# Altium PCB Thunderscope_Rev4.PCBDOC (part 2 of 7) (continued)
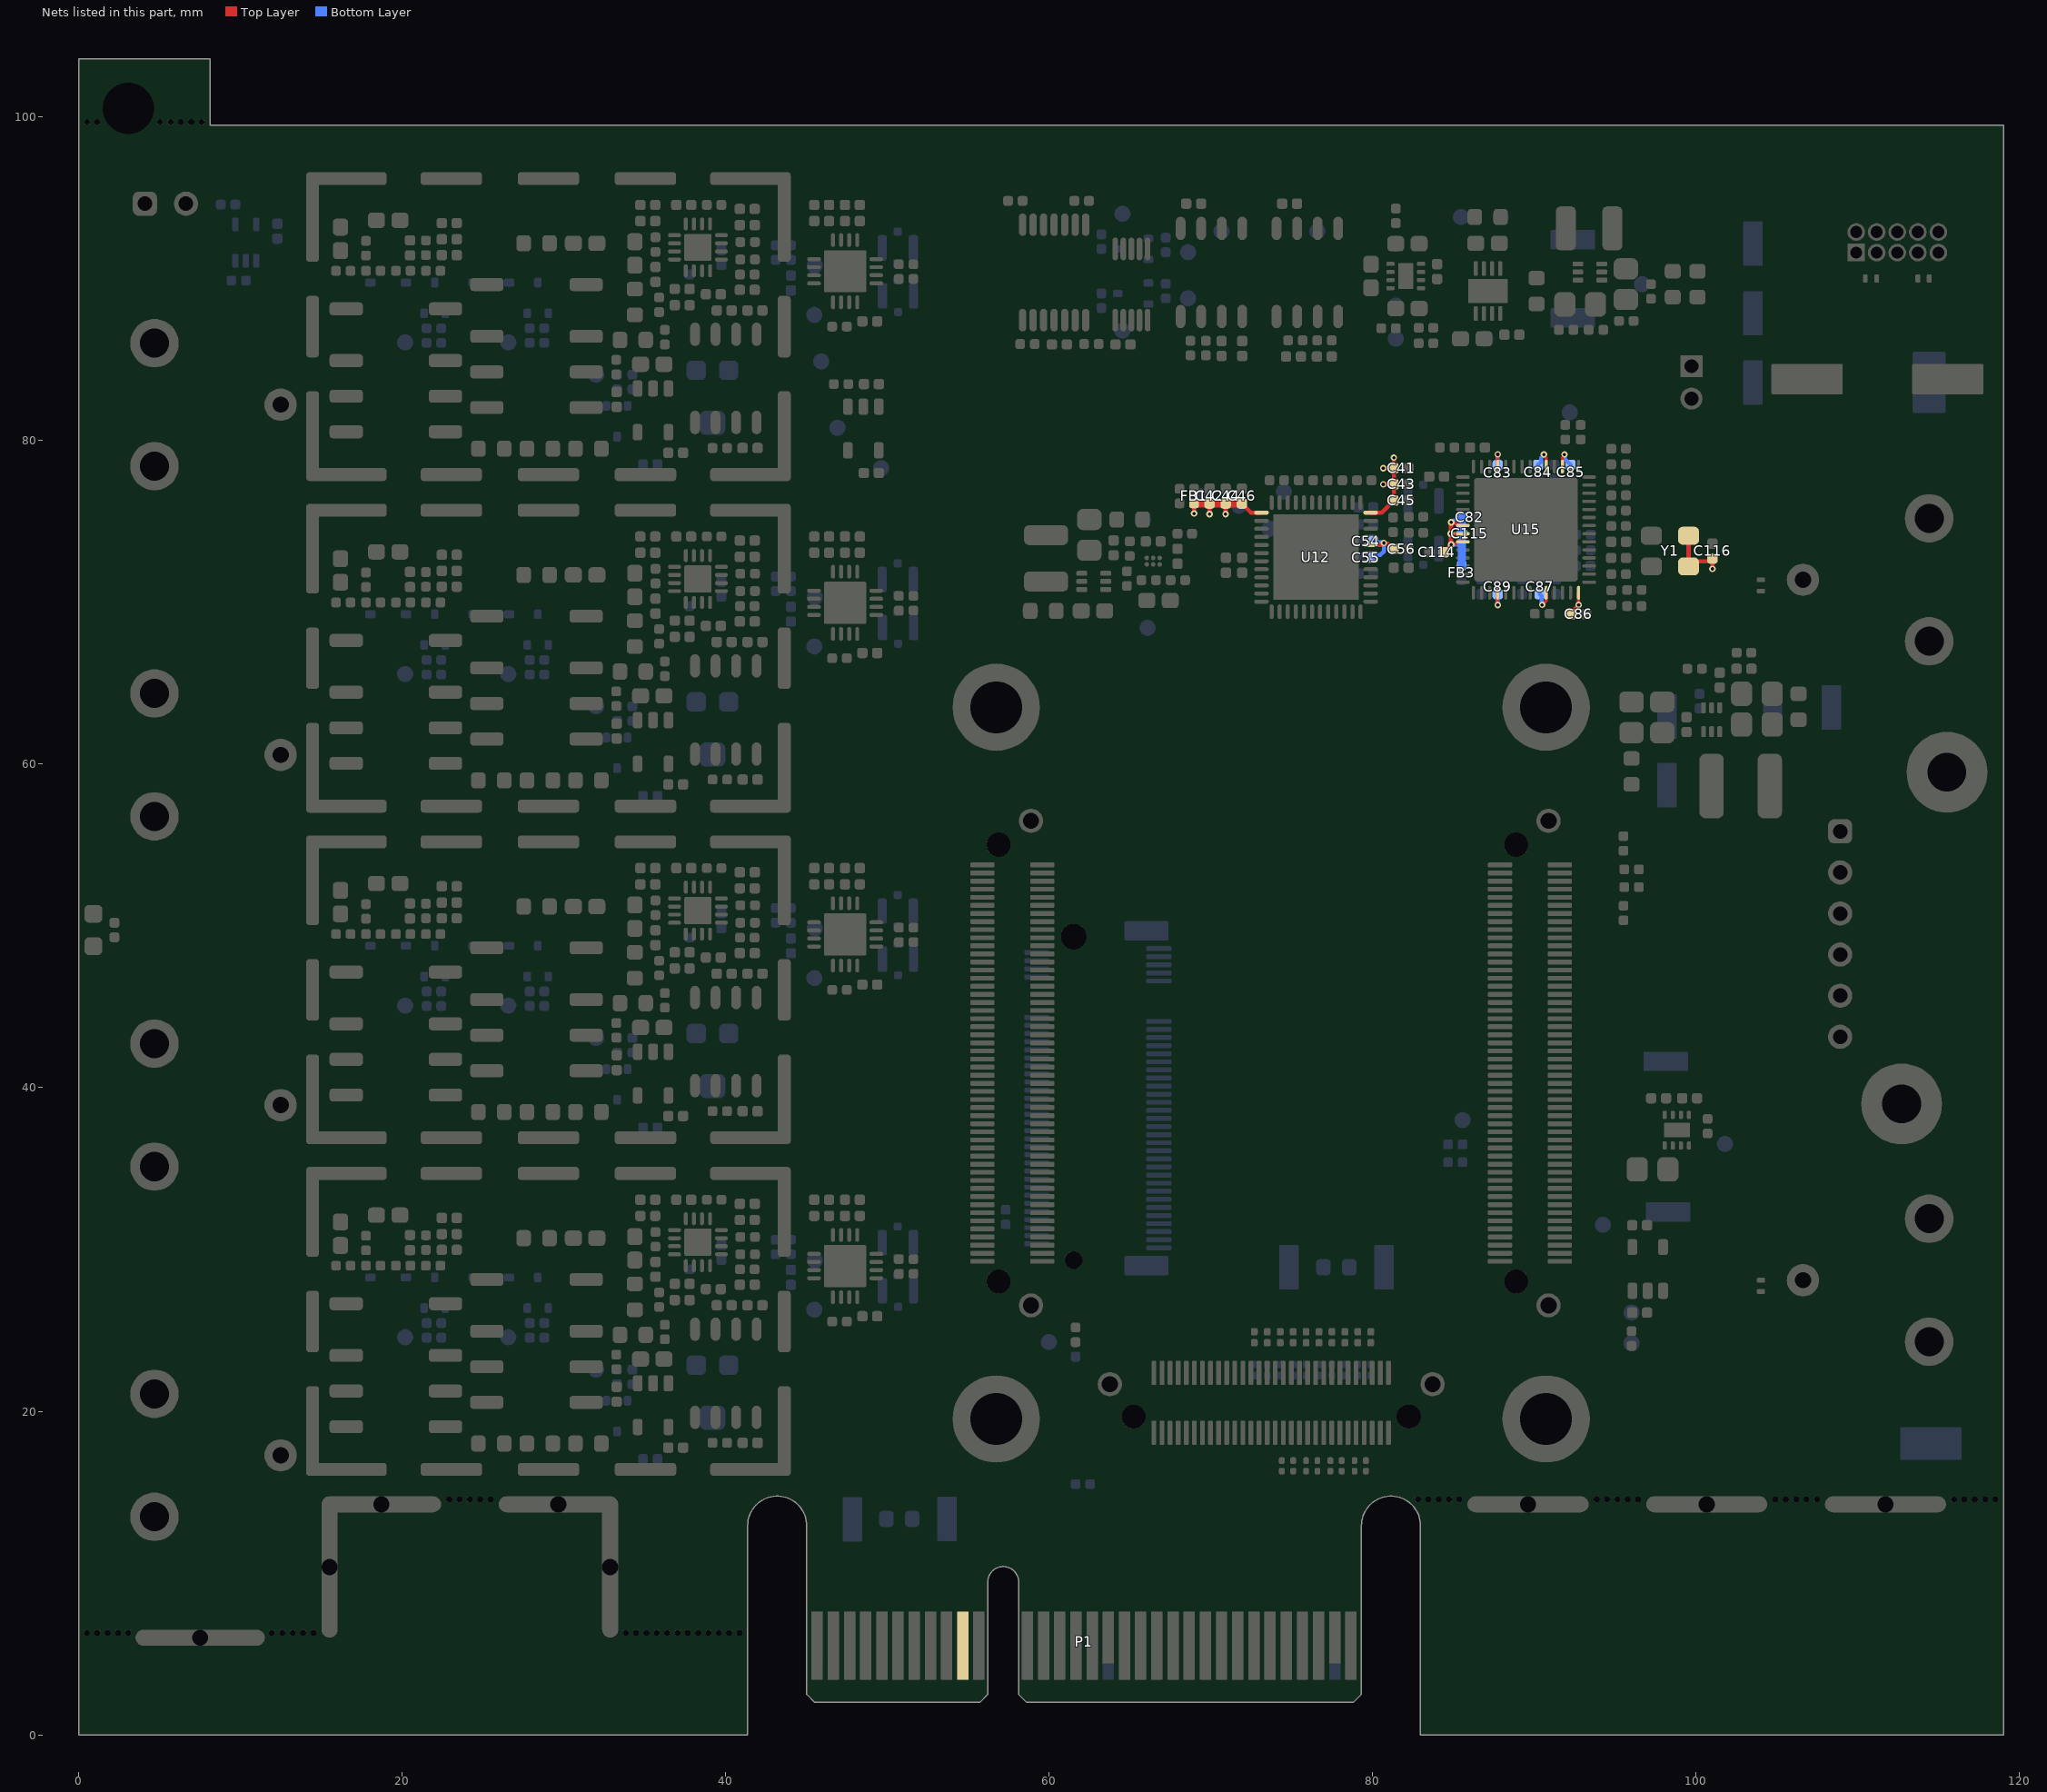
[diagram p6: the nets of this part, all layers, seen from the top]
## Footprints (in the part's own frame and the unit in brackets; to place one, negate y for a bottom-side part, rotate by r counter-clockwise, add the part's x,y. Pads: shape width x height; smd on the part's side, far side on the other; paste and mask are expansions set on the pad) (continued)
  round 1.5 hole 1: 61(9.975,1.15) 62(-9.975,1.15)
  round 1.5 hole 1.5 unplated: ""(-8.5,-0.85) ""(8.5,-0.85)
  silkscreen extent -11.13,-3 11.13,3, body extent -10.4,-2.49 10.4,2.64, height 5.6
SAM_LSHM-150-XX.X-XX-DV-A-S [mm]
  rrect50% 0.3x1.5 smd: 1(12.25,-1.85) 2(12.25,1.85) 3(11.75,-1.85) 4(11.75,1.85) 5(11.25,-1.85) 6(11.25,1.85) 7(10.75,-1.85) 8(10.75,1.85) 9(10.25,-1.85) 10(10.25,1.85) 11(9.75,-1.85) 12(9.75,1.85) 13(9.25,-1.85) 14(9.25,1.85) 15(8.75,-1.85) 16(8.75,1.85) 17(8.25,-1.85) 18(8.25,1.85) 19(7.75,-1.85) 20(7.75,1.85) 21(7.25,-1.85) 22(7.25,1.85) 23(6.75,-1.85) 24(6.75,1.85) 25(6.25,-1.85) 26(6.25,1.85) 27(5.75,-1.85) 28(5.75,1.85) 29(5.25,-1.85) 30(5.25,1.85) 31(4.75,-1.85) 32(4.75,1.85) 33(4.25,-1.85) 34(4.25,1.85) 35(3.75,-1.85) 36(3.75,1.85) 37(3.25,-1.85) 38(3.25,1.85) 39(2.75,-1.85) 40(2.75,1.85) 41(2.25,-1.85) 42(2.25,1.85) 43(1.75,-1.85) 44(1.75,1.85) 45(1.25,-1.85) 46(1.25,1.85) 47(0.75,-1.85) 48(0.75,1.85) 49(0.25,-1.85) 50(0.25,1.85) 51(-0.25,-1.85) 52(-0.25,1.85) 53(-0.75,-1.85) 54(-0.75,1.85) 55(-1.25,-1.85) 56(-1.25,1.85) 57(-1.75,-1.85) 58(-1.75,1.85) 59(-2.25,-1.85) 60(-2.25,1.85) 61(-2.75,-1.85) 62(-2.75,1.85) 63(-3.25,-1.85) 64(-3.25,1.85) 65(-3.75,-1.85) 66(-3.75,1.85) 67(-4.25,-1.85) 68(-4.25,1.85) 69(-4.75,-1.85) 70(-4.75,1.85) 71(-5.25,-1.85) 72(-5.25,1.85) 73(-5.75,-1.85) 74(-5.75,1.85) 75(-6.25,-1.85) 76(-6.25,1.85) 77(-6.75,-1.85) 78(-6.75,1.85) 79(-7.25,-1.85) 80(-7.25,1.85) 81(-7.75,-1.85) 82(-7.75,1.85) 83(-8.25,-1.85) 84(-8.25,1.85) 85(-8.75,-1.85) 86(-8.75,1.85) 87(-9.25,-1.85) 88(-9.25,1.85) 89(-9.75,-1.85) 90(-9.75,1.85) 91(-10.25,-1.85) 92(-10.25,1.85) 93(-10.75,-1.85) 94(-10.75,1.85) 95(-11.25,-1.85) 96(-11.25,1.85) 97(-11.75,-1.85) 98(-11.75,1.85) 99(-12.25,-1.85) 100(-12.25,1.85)
  round 1.5 hole 1: 101(14.975,1.15) 102(-14.975,1.15)
  round 1.5 hole 1.5 unplated: ""(-13.5,-0.85) ""(13.5,-0.85)
  silkscreen extent -16.12,-3 16.12,3, body extent -15.4,-2.49 15.4,2.64, height 5.6
ST_FlipChip6 [mil] "BGA, 6-Leads, Body 0.78x1.18mmx0.36mm, Pitch 0.40mm"
  round 11 smd paste+0 mask+0: A1(-7.88,15.75) A2(7.87,15.75) B1(-7.88,0) B2(7.88,0) C1(-7.87,-15.75) C2(7.88,-15.75)
  silkscreen extent -33,-31 24,41, body extent -16,-24 16,24, height 14
TE_2118728-2 [mm]
  rrect50% 0.8x5.55 smd: 1(-14.581,6.772) 1(-14.579,-6.772) 1(14.579,6.772) 1(14.581,-6.772)
  rrect50% 0.8x3.8 smd: 1(-14.579,0.003) 1(14.581,0.003)
  rrect50% 4.98x0.8 smd: 1(-12.491,9.147) 1(-12.489,-9.147) 1(12.489,9.147) 1(12.491,-9.147)
  rrect50% 3.8x0.8 smd: 1(-6.001,9.147) 1(-5.999,-9.147) 1(-0.001,9.147) 1(0.001,-9.147) 1(5.999,9.147) 1(6.001,-9.147)
  body extent -14.68,-9.25 14.68,9.25, height 7
TE_2334884-1 [mm]
  rrect50% 0.6x0.55 smd: 1(0,-0.975)
  rrect50% 0.58x1.58 smd: 2(-0.96,0) 2(0.96,0)
  rrect50% 0.5x0.5 smd: 2(0,1)
  silkscreen extent -1,-1 1,1.3, body extent -1,-1 1,1, height 0.6
TE_M2_KEYM_2199230 [mil]
  rrect50% 12x61 smd paste+0 mask+0: 1(-364.17,148.62) 2(-354.33,-148.62) 3(-344.49,148.62) 4(-334.65,-148.62) 5(-324.8,148.62) 6(-314.96,-148.62) 7(-305.12,148.62) 8(-295.28,-148.62) 9(-285.43,148.62) 10(-275.59,-148.62) 11(-265.75,148.62) 12(-255.91,-148.62) 13(-246.06,148.62) 14(-236.22,-148.62) 15(-226.38,148.62) 16(-216.54,-148.62) 17(-206.69,148.62) 18(-196.85,-148.62) 19(-187.01,148.62) 20(-177.17,-148.62) 21(-167.32,148.62) 22(-157.48,-148.62) 23(-147.64,148.62) 24(-137.8,-148.62) 25(-127.95,148.62) 26(-118.11,-148.62) 27(-108.27,148.62) 28(-98.43,-148.62) 29(-88.58,148.62) 30(-78.74,-148.62) 31(-68.9,148.62) 32(-59.06,-148.62) 33(-49.21,148.62) 34(-39.37,-148.62) 35(-29.53,148.62) 36(-19.69,-148.62) 37(-9.84,148.62) 38(0,-148.62) 39(9.84,148.62) 40(19.69,-148.62) 41(29.53,148.62) 42(39.37,-148.62) 43(49.21,148.62) 44(59.06,-148.62) 45(68.9,148.62) 46(78.74,-148.62) 47(88.58,148.62) 48(98.43,-148.62) 49(108.27,148.62) 50(118.11,-148.62) 51(127.95,148.62) 52(137.8,-148.62) 53(147.64,148.62) 54(157.48,-148.62) 55(167.32,148.62) 56(177.17,-148.62) 57(187.01,148.62) 58(196.85,-148.62) 67(285.43,148.62) 68(295.28,-148.62) 69(305.12,148.62) 70(314.96,-148.62) 71(324.8,148.62) 72(334.65,-148.62) 73(344.49,148.62) 74(354.33,-148.62) 75(364.17,148.62)
  rrect20% 47x108 smd: 76(-407.48,118.11) 77(407.48,118.11)
  round 43 hole 43 unplated: 78(-393.7,-59.06)
  round 63 hole 63 unplated: 79(393.7,-59.06)
  silkscreen extent -436,-177 436,239, body extent -431,-171 431,171, height 161
TI_SOIC8_D0008A [mm] "SOIC, 8-Leads, Body 4.91x3.90mm, Pitch 1.27mm, Height 1.75mm, IPC Medium Density"
  oval 1.45x0.6 smd: 1(-2.725,1.905) 2(-2.725,0.635) 3(-2.725,-0.635) 4(-2.725,-1.905) 5(2.725,-1.905) 6(2.725,-0.635) 7(2.725,0.635) 8(2.725,1.905)
  silkscreen extent -2.85,-2.5 1.6,2.88, body extent -3,-2.5 3,2.5, height 1.75
TI_SOT563_DRL0006A [mm] "SOTFL, 6-Leads, Body 1.60x1.60mm, Pitch 0.50mm, IPC Medium Density"
  rrect50% 0.67x0.3 smd: 1(-0.74,0.5) 2(-0.74,0) 3(-0.74,-0.5) 4(0.74,-0.5) 5(0.74,0) 6(0.74,0.5)
  silkscreen extent -0.83,-0.85 0.65,1.2, body extent -0.8,-0.85 0.8,0.85, height 0.6
TI_VQFN_RGT0016C [mm] "QFN, 16-Leads, Body 3.00x3.00mm, Pitch 0.50mm, Thermal Pad 1.68x1.68mm, IPC Medium Density"
  oval 0.8x0.25 smd: 1(-1.45,0.75) 2(-1.45,0.25) 3(-1.45,-0.25) 4(-1.45,-0.75) 9(1.45,-0.75) 10(1.45,-0.25) 11(1.45,0.25) 12(1.45,0.75)
  oval 0.25x0.8 smd: 5(-0.75,-1.45) 6(-0.25,-1.45) 7(0.25,-1.45) 8(0.75,-1.45) 13(0.75,1.45) 14(0.25,1.45) 15(-0.25,1.45) 16(-0.75,1.45)
  rrect10% 1.68x1.68 smd paste-0.1: 17(0,0)
  silkscreen extent -2.47,-1.7 1.7,1.7, body extent -1.55,-1.55 1.55,1.55, height 1
TI_WQFN_RGH0016A [mm] "QFN, 16-Leads, Body 4.00x4.00mm, Pitch 0.50mm, Thermal Pad 2.60x2.60mm, IPC Medium Density"
  oval 0.85x0.25 smd: 1(-1.925,0.75) 2(-1.925,0.25) 3(-1.925,-0.25) 4(-1.925,-0.75) 9(1.925,-0.75) 10(1.925,-0.25) 11(1.925,0.25) 12(1.925,0.75)
  oval 0.25x0.85 smd: 5(-0.75,-1.925) 6(-0.25,-1.925) 7(0.25,-1.925) 8(0.75,-1.925) 13(0.75,1.925) 14(0.25,1.925) 15(-0.25,1.925) 16(-0.75,1.925)
  rrect5% 2.6x2.6 smd paste-1.3: 17(0,0)
  silkscreen extent -2.97,-2.2 2.2,2.2, body extent -2.05,-2.05 2.05,2.05, height 0.8
TI_WSON8_DSG0008A [mm] "SON, 8-Leads, Body 2.00x2.00mm, Pitch 0.50mm, Thermal Pad 1.60x0.69mm, IPC Medium Density"
  rrect50% 0.5x0.25 smd: 1(-0.95,0.75) 2(-0.95,0.25) 3(-0.95,-0.25) 4(-0.95,-0.75) 5(0.95,-0.75) 6(0.95,-0.25) 7(0.95,0.25) 8(0.95,0.75)
  rrect10% 0.9x1.6 smd paste-0.9: 9(0,0)
  silkscreen extent -1.35,-1.2 1.05,1.25, body extent -1.05,-1.05 1.05,1.05, height 0.8
TI_X1SON_DPY0002A [mm] "Chip Resistor, 2-Leads, Body 1.00x0.50mm, IPC Medium Density"
  rrect50% 0.3x0.5 smd: 1(-0.35,0) 2(0.35,0)
  body extent -0.55,-0.35 0.55,0.35, height 0.45
TY_IND_NRS5030 [mm] "Precision Wire Wound Inductor, 2-Leads, Body 4.90x4.90mm, IPC Medium Density"
  rrect50% 1.5x4 smd: 1(-1.8,0) 2(1.8,0)
  silkscreen extent -2.55,-2.55 2.55,2.55, body extent -2.55,-2.45 2.55,2.45, height 3.2

## Part data
C1 C12 C13 C14 C17 C18 C19 C24A C24B C24C C24D C26A C26B C26C C26D C59 C98 C99 C100 C102A C102B C102C C102D C107 C117 C121 C1030A C1030B C1030C C1030D C1040A C1040B C1040C C1040D C1041A C1041B C1041C C1041D C1042A C1042B C1042C C1042D C1043A C1043B C1043C C1043D C1044A C1044B C1044C C1044D C1045A C1045B C1045C C1045D C1047A C1047B C1047C C1047D C1048A C1048B C1048C C1048D C1049A C1049B C1049C C1049D C1050A C1050B C1050C C1050D C1051A C1051B C1051C C1051D C1052A C1052B C1052C C1052D: library part "CAP 100nF 16V X7R 0402", Package=0402, Supplier Part Number 1=490-4759-1-ND, Voltage Rating=16V, Supplier 1=Digi-Key
C2 C3 C53 C91 C119 C120 C122 C123: library part "CAP 22uF 25V X5R 0805", Package=0805, Supplier Part Number 1=490-10749-1-ND, Voltage Rating=25V, Supplier 1=Digi-Key
C4 C10 C22A C22B C22C C22D C45 C46 C56: library part "CAP 1nF 50V C0G 0402", Package=0402, Supplier Part Number 1=490-6189-1-ND, Voltage Rating=50V, Supplier 1=Digi-Key
C5 C6 C7 C8 C11 C52 C60: library part "CAP 10uF 10V X5R 0603", Package=0402, Supplier Part Number 1=490-10474-1-ND, Voltage Rating=10V, Supplier 1=Digi-Key
C9 C25A C25B C25C C25D C41 C42 C49 C50 C54 C58 C82 C83 C84 C85 C86 C87 C88 C89 C90 C92 C93 C94 C95 C105 C106 C112 C113 C114 C115 C116 C125 C126: library part "CAP 1uF 25V X5R 0402", Package=0402, Supplier Part Number 1=490-10017-1-ND, Voltage Rating=25V, Supplier 1=Digi-Key
C15 C16 C40 C62 C65 C66 C67 C68 C69 C70 C71 C72 C73 C74 C75 C76 C77 C79 C80 C81: library part "CAP 100nF 6.3V X5R 0201", Package=0201, Supplier Part Number 1=490-3167-1-ND, Voltage Rating=6.3V, Supplier 1=Digi-Key
C23A C23B C23C C23D C43 C44 C47 C48 C55 C57: library part "CAP 10nF 50V X7R 0402", Package=0402, Supplier Part Number 1=490-6351-1-ND, Voltage Rating=50V, Supplier 1=Digi-Key
C51: library part "CAP 39pF 50V C0G 0402", Package=0402, Supplier Part Number 1=399-C0402C390J5GAC7867CT-ND, Temperature Coefficient=C0G, Voltage Rating=50V, Supplier 1=Digi-Key
C61 C1039A C1039B C1039C C1039D C1046A C1046B C1046C C1046D: library part "CAP 2.2uF 10V X5R 0402", Package=0402, Supplier Part Number 1=587-3153-1-ND, Voltage Rating=10V, Supplier 1=Digi-Key
C96 C97 C103 C104 R1032A R1032B R1032C R1032D: library part "RES 0 OHM 1/16W 0402", Manufacturer=Yageo, Manufacturer Part Number=RC0402JR-070RL, Package=0402, Supplier Part Number 1=311-0.0JRCT-ND, Supplier 1=Digi-Key
C111: library part "CAP 1000uF 16V 10mm Dia", Package=10mm, Supplier Part Number 1=P124991CT-ND, Voltage Rating=16V, Supplier 1=Digi-Key
C118: library part "CAP 10pF 50V C0G 0402", Package=0402, Supplier Part Number 1=1276-1139-1-ND, Temperature Coefficient=C0G, Voltage Rating=50V, Supplier 1=Digi-Key
C1022A C1022B C1022C C1022D C1023A C1023B C1023C C1023D C1024A C1024B C1024C C1024D: library part "CAP 6pF 250V C0G 0603", Manufacturer=KEMET, Manufacturer Part Number=CBR06C609BAGAC, Package=0603, Supplier Part Number 1=399-8734-1-ND, Voltage Rating=250V, Supplier 1=Digi-Key
C1025A C1025B C1025C C1025D C1026A C1026B C1026C C1026D C1027A C1027B C1027C C1027D: library part "CAP 100pF 50V C0G 0402", Manufacturer=Murata, Manufacturer Part Number=GCM1555C1H101FA16D, Package=0402, Supplier Part Number 1=490-14349-1-ND, Temperature Coefficient=C0G, Voltage Rating=50V, Supplier 1=Digi-Key
C1028A C1028B C1028C C1028D C1029A C1029B C1029C C1029D: library part "CAP 22nF 100V X7R 0603", Package=0603, Supplier Part Number 1=490-4782-1-ND, Voltage Rating=100V, Supplier 1=Digi-Key
C1031A C1031B C1031C C1031D C1032A C1032B C1032C C1032D: library part "CAP 100pF 50V C0G 0402", Package=0402, Supplier Part Number 1=490-14349-1-ND, Temperature Coefficient=C0G, Voltage Rating=50V, Supplier 1=Digi-Key
D1: library part "LED GREEN 0603 LTST-S270K", Supplier Part Number 1=160-1478-1-ND, Supplier 1=Digi-Key
D4 D5 D6 D7: library part "TVS TPD1E1B04", Supplier Part Number 1=296-47364-1-ND, Supplier 1=Digi-Key
D1000A D1000B D1000C D1000D D1001A D1001B D1001C D1001D: library part "DIODE 1N4148", Max Current=150mA, Max Reverse Voltage=75V, Supplier Part Number 1=1N4148WS-FDICT-ND, Supplier 1=Digi-Key
FB1 FB2 FB3 FB5: library part "FERRITE BEAD 120 OHM 0402", Supplier Part Number 1=490-9656-1-ND, Supplier 1=Digi-Key
J1: library part "CONN 2.54mm 2 Pin TH RA", Supplier Part Number 1=SAM12296-ND, Supplier 1=Digi-Key
J2A J2B J2C J2D J3A J3B J3C J3D J5 J6: library part "UFL Jack SMD", Supplier Part Number 1=A145155CT-ND, Supplier 1=Digi-Key
J4A J4B J4C J4D J7 J9: library part "BNC JACK R/A", Supplier Part Number 1=WM5524-ND, Supplier 1=Digi-Key
J8: library part "CONN 2.54mm 6 Pin TH RA", Supplier Part Number 1=732-5339-ND, Supplier 1=Digi-Key
J10: Supplier Part Number 1=A124992CT-ND, Supplier 1=Digi-Key
J11: library part "CONN 1.27mm 2x5 Pin TH RA", Supplier Part Number 1=1175-1628-ND, Supplier 1=Digi-Key
J12: library part "CONN JST PH 2 Pin TH", Supplier Part Number 1=455-1704-ND, Supplier 1=Digi-Key
JM1 JM2: library part "CONN LSHM-150-02.5-L-DV-A-S-K-TR", Manufacturer=Samtec, Supplier Part Number 1=SAM14147DKR-ND, House Part Number=LSHM-150-02.5-L-DV-A-S-K-TR, Manufacturer Part Number=LSHM-150-02.5-L-DV-A-S-K-TR, Supplier 1=Digi-Key
JM3: library part "CONN LSHM-130-02.5-L-DV-A-S-K-TR", Manufacturer=Samtec, Supplier Part Number 1=SAM14106DKR-ND, House Part Number=LSHM-130-02.5-L-DV-A-S-K-TR, Manufacturer Part Number=LSHM-130-02.5-L-DV-A-S-K-TR, Supplier 1=Digi-Key
K1000A K1000B K1000C K1000D K1001A K1001B K1001C K1001D: library part "RELAY DPDT-NO FTR-B3SA", Supplier Part Number 1=817-FTR-B3SA003Z, Supplier 1=Mouser
L1 L2: library part "IND 1uH 3.1A 45 MOHM 1210", Supplier Part Number 1=490-10590-1-ND, Supplier 1=Digi-Key
L3: library part "IND 4.7uH 2.6A 35 MOHM SMD", Supplier Part Number 1=587-3461-1-ND, Supplier 1=Digi-Key
MH1 MH2 MH3 MH4: library part "MH M3"
P1: library part CMP-0001-00031-2, "Golden finger, PCIeX4, Dual, Opposite, Pitch 1mm, 64-Position", ClassName="Edge Connector", Datasheet Version="rev2.0, Apr-2007", Mating Connector=Molex-87715-9106, Package Reference=PCIeX4-GF-2D-1000-1K-O64, Publisher=Altium
Q1 Q2 Q1002A Q1002B Q1002C Q1002D Q1003A Q1003B Q1003C Q1003D Q1004A Q1004B Q1004C Q1004D: library part "NMOS DMN62D0UW", Max Power=320mW, Supplier Part Number 1=DMN62D0UW-7DICT-ND, Id=340mA, Supplier 1=Digi-Key, Vdss=60V
R1 R30A R30B R30C R30D R40A R40B R40C R40D R86 R88 R106 R107 R108 R109 R1054A R1054B R1054C R1054D: library part "RES 0 OHM 1/16W 0402", Package=0402, Power Rating=0.0625W, Supplier Part Number 1=311-0.0JRCT-ND, Supplier 1=Digi-Key
R2 R6 R14 R16 R20 R21 R22 R23 R24 R25 R29A R29B R29C R29D R38 R42 R44 R46 R66 R89 R90 R91 R101 R102 R103 R110 R114 R115 R1038A R1038B R1038C R1038D R1039A R1039B R1039C R1039D R1040A R1040B R1040C R1040D R1041A R1041B R1041C R1041D R1055A R1055B R1055C R1055D R1061A R1061B R1061C R1061D: library part "RES 10K OHM 1% 1/10W 0402", Package=0402, Power Rating=0.1W, Supplier Part Number 1=P10.0KLCT-ND, Tolerance=1%, Supplier 1=Digi-Key
R3 R4 R5 R7 R36 R58 R87 R95 R112 R116: library part "RES 0.01 OHM 1% 1/4W 0603", Package=0603, Power Rating=0.25W, Supplier Part Number 1=408-1404-1-ND, Tolerance=1%, Supplier 1=Digi-Key
R8 R9 R104 R117: library part "RES 0.1 OHM 1% 1/6W 0402", Package=0402, Power Rating=0.16W, Supplier Part Number 1=P.10AKCT-ND, Tolerance=1%, Supplier 1=Digi-Key
R10 R1029A R1029B R1029C R1029D: library part "RES 680K OHM 1% 1/16W 0402", Manufacturer=Yageo, Manufacturer Part Number=RC0402FR-07681KL, Package=0402, Supplier Part Number 1=YAG3211CT-ND, Tolerance=1%, Supplier 1=Digi-Key
R11: library part "RES 309K OHM 1% 1/16W 0402", Package=0402, Power Rating=0.0625W, Supplier Part Number 1=YAG3108CT-ND, Tolerance=1%, Supplier 1=Digi-Key
R12 R1050A R1050B R1050C R1050D R1051A R1051B R1051C R1051D R1056A R1056B R1056C R1056D: library part "RES 90.9K OHM 1% 1/16W 0402", Package=0402, Power Rating=0.0625W, Supplier Part Number 1=311-90.9KLRCT-ND, Tolerance=1%, Supplier 1=Digi-Key
R13 R39 R61 R105 R1046A R1046B R1046C R1046D: library part "RES 100K OHM 1% 1/10W 0402", Package=0402, Power Rating=0.1W, Supplier Part Number 1=311-100KLRCT-ND, Tolerance=1%, Supplier 1=Digi-Key
R15 R17 R18 R19 R1052A R1052B R1052C R1052D: library part "RES 2K OHM 1% 1/16W 0402", Package=0402, Power Rating=0.0625W, Supplier Part Number 1=311-2KLRCT-ND, Tolerance=1%, Supplier 1=Digi-Key
R26 R27 R28 R92 R93 R94 R111: library part "RES 1K OHM 1% 1/10W 0402", House Part Number=R-1K-0402-1%-001, Manufacturer=Yageo, Manufacturer Part Number=RC0402FR-071KL, Package=0402, Supplier Part Number 1=311-1.00KLRCT-ND, Tolerance=1%, Supplier 1=Digi-Key
R33A R33B R33C R33D R1036A R1036B R1036C R1036D: library part "RES 49.9 OHM 1% 1/10W 0402", Manufacturer=Yageo, Manufacturer Part Number=RC0402FR-0749R9L, Package=0402, Supplier Part Number 1=311-49.9LRCT-ND, Tolerance=1%, Supplier 1=Digi-Key
R37: library part "RES 220K OHM 1% 1/16W 0402", Package=0402, Power Rating=0.0625W, Supplier Part Number 1=311-220KLRCT-ND, Tolerance=1%, Supplier 1=Digi-Key
R57 R60 R62 R63 R64: library part "RES 100 OHM 1% 1/10W 0402", Package=0402, Power Rating=0.1W, Supplier Part Number 1=2019-RK73H1ETTP1000FCT-ND, Tolerance=1%, Supplier 1=Digi-Key
R59: library part "RES 261K OHM 1% 1/16W 0402", Package=0402, Power Rating=0.0625W, Supplier Part Number 1=311-261KLRCT-ND, Tolerance=1%, Supplier 1=Digi-Key
R67 R97A R97B R97C R97D R98A R98B R98C R98D: library part "RES 1K OHM 1% 1/10W 0402", Package=0402, Power Rating=0.1W, Supplier Part Number 1=311-1.00KLRCT-ND, Tolerance=1%, Supplier 1=Digi-Key
R68 R69 R70 R71 R72 R73 R74 R75 R76 R77 R78 R79 R80 R81 R82 R83: library part "RES 0 OHM 1% 1/20W 0201", Package=0201, Power Rating=0.05W, Supplier Part Number 1=RMCF0201ZT0R00CT-ND, Tolerance=1%, Supplier 1=Digi-Key
R84 R85: library part "RES 49.9 OHM 1% 1/10W 0402", Package=0402, Power Rating=0.1W, Supplier Part Number 1=311-49.9LRCT-ND, Tolerance=1%, Supplier 1=Digi-Key
R113: library part "RES 57.6K OHM 1% 1/16W 0402", Package=0402, Power Rating=0.0625W, Supplier Part Number 1=YAG3190CT-ND, Tolerance=1%, Supplier 1=Digi-Key
R1025A R1025B R1025C R1025D: library part "RES 30 OHM 1% 1/3W 0603", Package=0603, Power Rating=0.33W, Supplier Part Number 1=2019-SG73P1JTTD30R0FCT-ND, Tolerance=1%, Supplier 1=Digi-Key
R1026A R1026B R1026C R1026D R1035A R1035B R1035C R1035D: library part "RES 10 OHM 1% 1/3W 0603", Package=0603, Power Rating=0.33W, Supplier Part Number 1=2019-SG73P1JTTD10R0FCT-ND, Tolerance=1%, Supplier 1=Digi-Key
R1027A R1027B R1027C R1027D: library part "RES 10 OHM 1% 1/3W 0603", Manufacturer="KOA Speer", Manufacturer Part Number=SG73P1JTTD10R0F, Package=0603, Power Rating=0.33W, Supplier Part Number 1=2019-SG73P1JTTD10R0FCT-ND, Tolerance=1%, Supplier 1=Digi-Key
R1028A R1028B R1028C R1028D: library part "RES 300K OHM 1% 1/10W 0402", Manufacturer=Panasonic, Manufacturer Part Number=ERJ-2RKF3003X, Package=0402, Supplier Part Number 1=P300KLCT-ND, Tolerance=1%, Supplier 1=Digi-Key
R1030A R1030B R1030C R1030D: library part "RES TBD 0402", Package=0402, Tolerance=1%
R1031A R1031B R1031C R1031D: library part "RES 20K OHM 1% 1/16W 0402", Manufacturer=Yageo, Manufacturer Part Number=RC0402FR-0720KL, Package=0402, Supplier Part Number 1=311-20.0KLRCT-ND, Tolerance=1%, Supplier 1=Digi-Key
R1037A R1037B R1037C R1037D: library part "IND TBD 0402"
R1044A R1044B R1044C R1044D R1045A R1045B R1045C R1045D: library part "RES 30 OHM 1% 1/3W 0603", Manufacturer="KOA Speer", Manufacturer Part Number=SG73P1JTTD30R0F, Package=0603, Supplier Part Number 1=2019-SG73P1JTTD30R0FCT-ND, Tolerance=1%, Supplier 1=Digi-Key
R1048A R1048B R1048C R1048D R1049A R1049B R1049C R1049D: library part "RES 909K OHM 1% 1/16W 0402", Package=0402, Power Rating=0.0625W, Supplier Part Number 1=YAG2377CT-ND, Tolerance=1%, Supplier 1=Digi-Key
R1057A R1057B R1057C R1057D: library part "RES DNP 0402", Package=0402, Power Rating=0.0625W, Tolerance=1%
R1059A R1059B R1059C R1059D: library part "TRIMMER 5K OHM 0.1W J LEAD TOP", Power Rating=0.1W, Supplier Part Number 1=TC33X-502ECT-ND, Tolerance=1%, Supplier 1=Digi-Key
R1060A R1060B R1060C R1060D R1062A R1062B R1062C R1062D: library part "RES 10K OHM 1% 1/10W 0402", Manufacturer=Panasonic, Manufacturer Part Number=ERJ-2RKF1002X, Package=0402, Supplier Part Number 1=P10.0KLCT-ND, Tolerance=1%, Supplier 1=Digi-Key
SHLD3A SHLD3B SHLD3C SHLD3D: library part "SHIELD 2118728-2", Supplier Part Number 1=A126158CT-ND, Supplier 1=Digi-Key
TP1 TP3 TP4 TP8 TP18 TP32 TP40 TP41 TP45 TP46 TP47 TP48 TP49 TP50 TP51: library part "TP KEYSTONE 5015", Supplier Part Number 1=36-5015CT-ND, Supplier 1=Digi-Key
TP2 TP7 TP9 TP10 TP11 TP12 TP13 TP14 TP15 TP16 TP17 TP19 TP20 TP21 TP23A TP23B TP23C TP23D TP26A TP26B TP26C TP26D TP27 TP28 TP29 TP30 TP31 TP33 TP34 TP35 TP36 TP37 TP38 TP39 TP42 TP43 TP44 TP52 TP53 TP54 TP1018A TP1018B TP1018C TP1018D TP1019A TP1019B TP1019C TP1019D TP1022A TP1022B TP1022C TP1022D: library part "TP PCB 1mm"
TP5 TP6: library part "TP KEYSTONE 5019", Supplier Part Number 1=36-5019CT-ND, Supplier 1=Digi-Key
U1: library part "IC BUFFER SN74LVC1G17", Supplier Part Number 1=296-11934-1-ND, Supplier 1=Digi-Key
U2: library part "IC BOOST TPS61023", Supplier Part Number 1=296-TPS61023DRLTCT-ND, Supplier 1=Digi-Key
U3: library part "IC LDO ADM7171ACPZ-5.0", Supplier Part Number 1=505-ADM7171ACPZ-5.0-R7CT-ND, Supplier 1=Digi-Key
U4: library part "IC CPUMP LM27761", Supplier Part Number 1=296-44379-1-ND, Supplier 1=Digi-Key
U5 U8 U1011A U1011B U1011C U1011D: library part "IC OPAMP OP07CDR", Supplier Part Number 1=296-14626-1-ND, Supplier 1=Digi-Key
U6: library part "IC DAC QUAD MCP4728", Supplier Part Number 1=MCP4728A1T-E/UNCT-ND, Supplier 1=Digi-Key
U7A U7B U7C U7D: library part "IC PGA LMH6518", Supplier Part Number 1=LMH6518SQE/NOPBCT-ND, Supplier 1=Digi-Key
U11: library part "IC BUCK TPS62A01", Supplier Part Number 1=595-TPS62A01DRLR, Supplier 1=Mouser
U12: library part "IC ADC HMCAD1511", Supplier Part Number 1=1127-1648-ND, Supplier 1=Digi-Key
U13: library part "IC LDO LD57100JR", Supplier Part Number 1=497-LD57100JRCT-ND, Supplier 1=Digi-Key
U14: library part "IC SWITCH LOAD TPS22975", Supplier Part Number 1=296-47228-1-ND, Supplier 1=Digi-Key
U15: library part "IC CLK GEN ZL30260LDG1", Manufacturer=Microchip, Supplier Part Number 1=494-ZL30260LDG1, Manufacturer Part Number=ZL30260LDG1, Supplier 1=Mouser
U16: library part "IC LDO TPS7A2025", Supplier Part Number 1=296-TPS7A2025PDBVRCT-ND, Supplier 1=Digi-Key
U17: library part "IC DIGIPOT QUAD MCP4432T-503E", Supplier Part Number 1=579-MCP4432T-503E/ST, Supplier 1=Mouser
U19: library part "IC BUCK TPS562202", Supplier Part Number 1=296-TPS562202DRLRCT-ND, Supplier 1=Digi-Key
U20: library part "IC LDO TPS7A2033", Manufacturer="Texas Instruments", Manufacturer Part Number=TPS7A2033PDBVR, Supplier Part Number 1=595-TPS7A2033PDBVR, Supplier 1=Mouser
U1009A U1009B U1009C U1009D: library part "IC BUFFER AMP BUF802", Supplier Part Number 1=595-BUF802IRGTR, Supplier 1=Mouser
U1010A U1010B U1010C U1010D: library part "IC SWITCH SPST TS12A4516DBVR", Manufacturer="Texas Instruments", Manufacturer Part Number=TS12A4516DBVR, Supplier Part Number 1=296-24269-1-ND, Supplier 1=Digi-Key
Y1: library part "OSC 10MHz ECS-TXO-3225MV", Supplier Part Number 1=50-ECS-TXO-3225MV-100-CT-ND, Supplier 1=Digi-Key

## Free pads (board coordinates)
  round 0.38 hole 0.38 unplated mask+0: 1(0.5,6.3) 1(0.5,99.7) 1(1.14,6.3) 1(1.14,99.7) 1(1.78,6.3) 1(2.42,6.3) 1(3.06,6.3) 1(5.025,99.7) 1(5.665,99.7) 1(6.305,99.7) 1(6.945,99.7) 1(7.585,99.7) 1(11.94,6.3) 1(12.58,6.3) 1(13.22,6.3) 1(13.86,6.3) 1(14.5,6.3) 1(22.895,14.55) 1(23.535,14.55) 1(24.175,14.55) 1(24.815,14.55) 1(25.455,14.55) 1(33.81,6.3) 1(34.45,6.3) 1(35.09,6.3) 1(35.73,6.3) 1(36.37,6.3) 1(37.01,6.3) 1(37.65,6.3) 1(38.29,6.3) 1(38.93,6.3) 1(39.57,6.3) 1(40.21,6.3) 1(40.85,6.3) 1(82.795,14.55) 1(83.435,14.55) 1(84.075,14.55) 1(84.715,14.55) 1(85.355,14.55) 1(93.845,14.55) 1(94.485,14.55) 1(95.125,14.55) 1(95.765,14.55) 1(96.405,14.55) 1(104.895,14.55) 1(105.535,14.55) 1(106.175,14.55) 1(106.815,14.55) 1(107.455,14.55) 1(115.94,14.55) 1(116.58,14.55) 1(117.22,14.55) 1(117.86,14.55) 1(118.5,14.55)
  oval 8x1 hole 1 slot 8 at 0 deg unplated: 1(7.5,6)
  oval 1x8.75 hole 1 slot 8.75 at 90 deg unplated: 1(15.5,10.375) 1(32.85,10.375)
  oval 7.4x1 hole 1 slot 7.4 at 0 deg unplated: 1(18.7,14.25) 1(29.65,14.25)
  oval 7.5x1 hole 1 slot 7.5 at 0 deg unplated: 1(89.6,14.25) 1(100.65,14.25) 1(111.7,14.25)
  round 2.88 hole 3.18 unplated: MH1(3.05,100.55)
  round 5 hole 2.4: MH5(115.5,59.5) MH6(112.7,39)

## Via types
v1: diameter 0.406, hole 0.203, Top Layer to Bottom Layer, tented both sides, 1291 vias

## Nets (pads, with @x,y where several pads share a name; then routed paths per layer and width w, separated by ;. In a path a pad name is that pad's centre, name@x,y a point inside that pad or via, vN(x,y) a via of type N, cw(c..) or ccw(c..) an arc to the next point about the centre after c; other vN are vias at no path point)
3.3Vaux: P1.B10
+1V8A: C41.2 C42.2 C43.2 C44.2 C45.2 C46.2 C54.2 C55.2 C56.2 FB1.2 U12.1 U12.32 U12.36 | length 15.7
  Top Layer w0.254: v1(68.95,75.495) FB1.2@68.95,76.125 FB1.2@68.954,76.121 ; v1(69.9,75.466) 69.904,75.47 69.904,76.113 C42.2@69.907,76.117 C42.2@69.903,76.121 ; v1(70.9,75.466) 70.904,75.47 70.904,76.113 C44.2@70.907,76.117 ; C46.2@71.907,76.117 72.474,75.55 U12.1@73.118,75.55 ; U12.32@79.868,73.55 79.87,73.552 80.521,73.552 80.644,73.675 v1@80.675,73.675 ; U12.36@79.868,75.55 79.87,75.552 80.549,75.552 C45.2@81.297,76.3 C43.2@81.297,77.3 ; v1(80.647,77.3) C43.2@81.297,77.3 ; v1(80.647,78.3) C41.2@81.297,78.3 ; v1(80.685,73.675) v1@80.675,73.675 ; C56.2@81.297,73.3 81.279,73.3 80.933,73.646 80.704,73.646 v1@80.675,73.675 ; v1(81.3,78.95) 81.299,78.949 81.299,78.301 C41.2@81.297,78.3 ; C43.2@81.297,77.3 C41.2@81.297,78.3
  Top Layer w0.5: FB1.2@68.954,76.121 C42.2@69.903,76.121 ; C42.2@69.907,76.117 C44.2@70.907,76.117 C46.2@71.907,76.117
  Bottom Layer w0.254: C55.2@80.035,72.775 80.191,72.931 80.456,72.931 80.685,73.16 v1(80.685,73.675) 80.656,73.704 80.106,73.704 C54.2@80.035,73.775
+1V8APLL: C82.1 C83.1 C84.1 C85.1 C86.1 C87.1 C89.1 C114.1 C115.1 C116.1 FB3.2 U15.4 U15.10 U15.14 U15.31 U15.33 U15.39 U15.49 U15.50 U15.51 Y1.1 Y1.4 | length 23.1
  Top Layer w0.2: v1(84.82,74.25) U15.50@85.575,74.25 ; v1(84.85,73.575) 84.889,73.614 85.114,73.614 85.25,73.75 U15.51@85.575,73.75 ; v1(84.85,74.95) 84.889,74.911 85.089,74.911 85.25,74.75 U15.49@85.575,74.75 ; v1(87.725,69.845) U15.4@87.725,70.6 ; U15.39@87.725,78.4 v1(87.725,79.155) ; v1(90.475,69.85) 90.725,70.1 U15.10@90.725,70.6 ; v1(90.575,79.15) 90.575,79.094 90.725,78.944 U15.33@90.725,78.4 ; U15.31@91.725,78.4 91.725,78.969 91.85,79.094 v1(91.85,79.15) ; C86.1@92.265,69.275 92.448,69.458 92.448,69.587 92.705,69.845 v1(92.725,69.845) U15.14@92.725,70.6
  Top Layer w0.254: C114.1@84.41,72.95 84.583,73.123 84.583,73.308 v1(84.85,73.575) 84.835,73.59 84.835,74.235 v1(84.82,74.25) 84.835,74.265 84.835,74.935 v1(84.85,74.95) ; Y1.1@99.525,74.125 Y1.4@99.525,72.225 99.85,72.55 100.835,72.55 C116.1@101,72.715 v1(101,72.075)
  Bottom Layer w0.254: v1(84.82,74.25) 85.507,74.25 C115.1@85.515,74.25 ; v1(84.85,73.575) 85.475,73.575 85.507,73.543 ; v1(84.85,74.95) 84.891,74.95 85.019,75.077 85.342,75.077 85.507,75.242 C82.1@85.515,75.25 ; 85.507,73.257 85.515,73.25 ; v1(87.725,69.845) C89.1@87.725,70.515 ; C83.1@87.725,78.485 v1(87.725,79.155) ; C84.1@90.225,78.51 90.398,78.683 90.398,78.931 90.575,79.109 v1(90.575,79.15) ; C87.1@90.325,70.515 90.446,70.394 90.446,69.879 v1(90.475,69.85) ; v1(91.85,79.15) 91.879,79.121 91.879,78.874 92.225,78.528 C85.1@92.225,78.51
  Bottom Layer w0.5: FB3.2@85.5,72.275 85.507,72.282 85.507,73.257 85.507,74.25 C82.1@85.507,75.242